# Altium PCB PCB_V_2_withgroundplane.PcbDoc
Units mm, origin at the board's own origin, x right, y up, seen from the top; angles counter-clockwise.
Board outline 110 x 72.5 mm, 2 copper layers (Top Layer, Bottom Layer); 35 components, 51 nets, 179 pads, 20 vias.
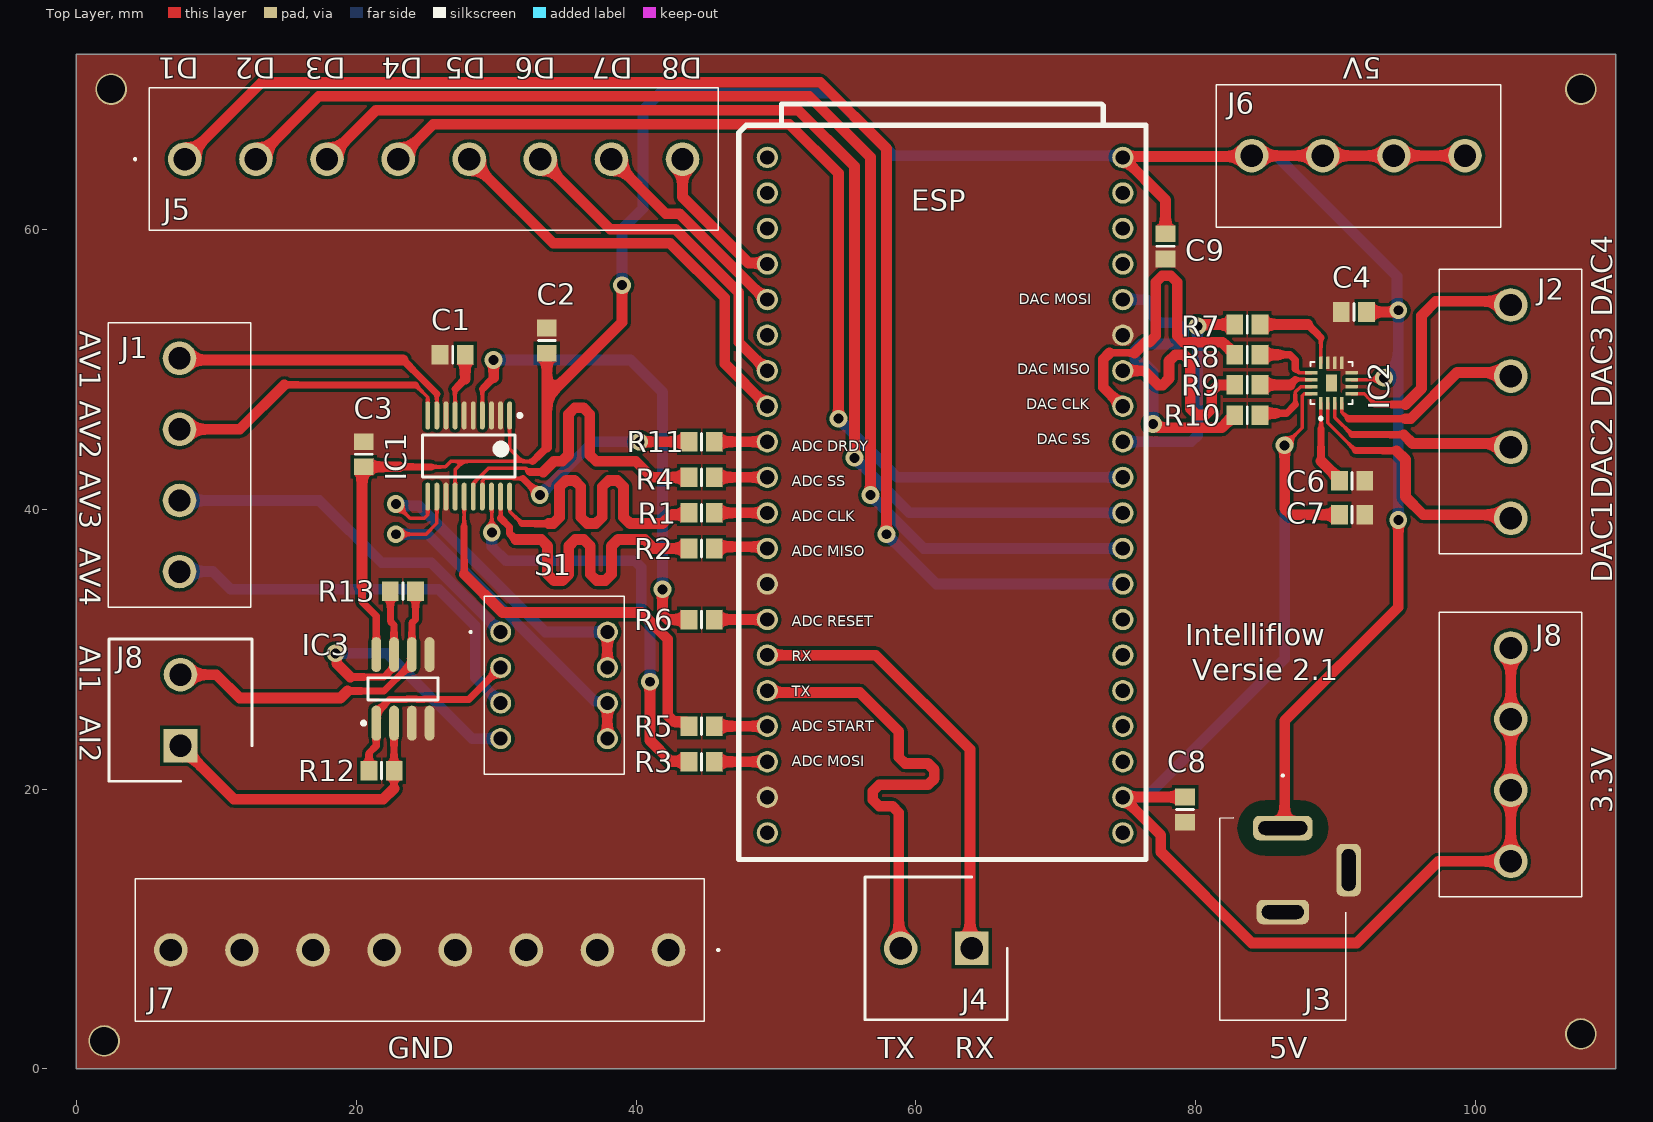
[diagram p0: Top Layer view]
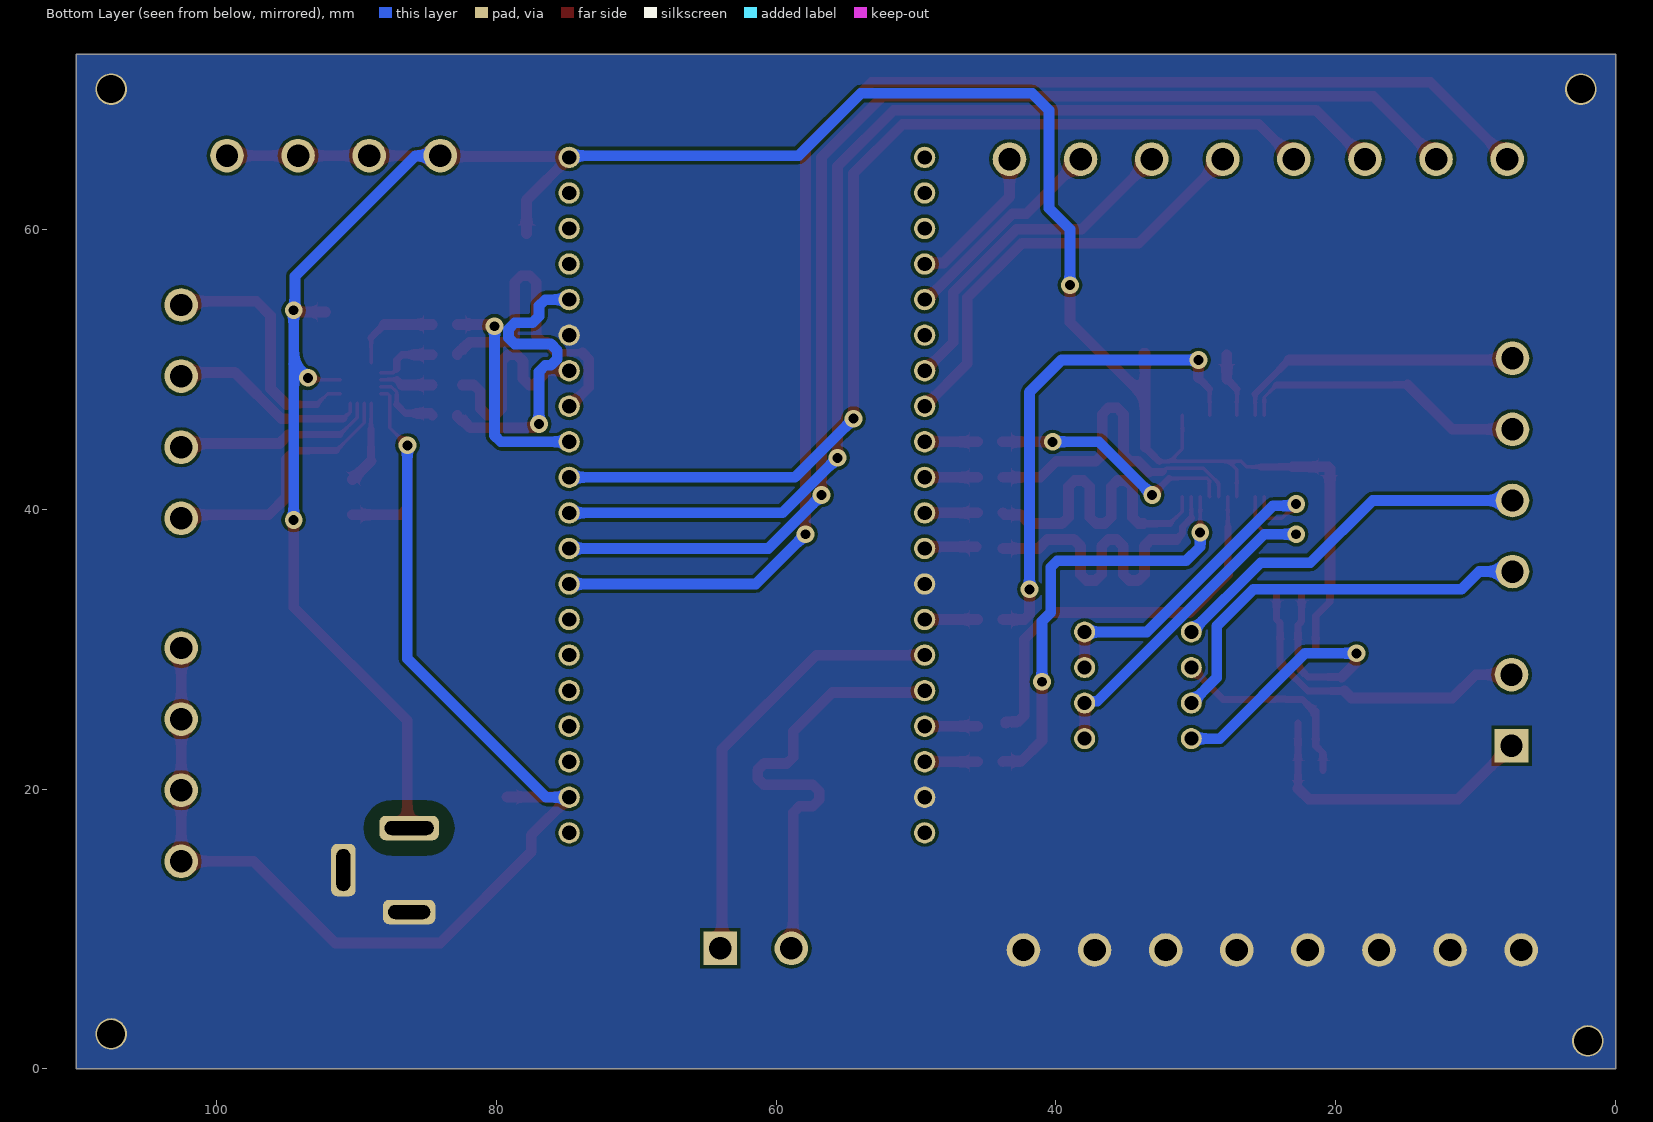
[diagram p1: Bottom Layer view, seen from below]

## Layer stack, top to bottom
Top Solder: solder mask 0.0102, Solder Resist, Dk 3.5
Top Layer: signal copper 0.0356
Dielectric 1: dielectric 0.32, FR-4, Dk 4.8
Bottom Layer: signal copper 0.0356
Bottom Solder: solder mask 0.0102, Solder Resist, Dk 3.5

## Board outline
0,0 110,0 110,72.5 0,72.5

## Design rules (kind name [scope] priority, off if disabled: settings)
Clearance polygon [InNet('GND')] p1: gap=0.229 ignorepadtopadclearanceinfootprint=FALSE
Clearance [IC2] p2: gap=0.178 ignorepadtopadclearanceinfootprint=FALSE
HoleSize [All] p1: absolutevalues=TRUE maxlimit=3.5 minlimit=0.025 maxpercent=80.000 minpercent=20.000
MinimumSolderMaskSliver [All] p1: minsoldermaskwidth=0.025
PolygonConnect [InNet('GND')] p1: connectstyle=Direct reliefconductorwidth=0.254 reliefentries=4 polygonreliefangle="90 Angle" airgapwidth=0.254
RoutingVias [All] p1: holewidth=0.711 width=1.27 viastyle="Through Hole" minholewidth=0.711 minwidth=1.27 maxholewidth=0.711 maxwidth=1.27
SilkToSolderMaskClearance [IsPad] p1: minsilkscreentomaskgap=0.025 clearancetoexposedcopper=TRUE
SolderMaskExpansion [All] p1: expansion=0.102 istentingtop=FALSE
Width Width_1 [All] p1: maxlimit=0.762 minlimit=0.254 preferedwidth=0.762 minimp=50.000000 maximp=50.000000 favimp=50.000000
27 further rules are at their usual default settings.

## Components (designator, comment, footprint, x,y, rotation, side; value= is the part's Value field where it differs from the comment)
C1 "Cap" 6-0805_N 26.9,51.03 r180 top value=1µF
C2 "Cap" 6-0805_N 33.631,52.035 r90 top value=0.1µF
C3 "Cap" 6-0805_N 20.55,43.918 r90 top value=0.1µF
C4 "Cap" 6-0805_N 91.289,54.078 r0 top value=0.1µF
C6 "Cap" 6-0805_N 91.162,42.013 r180 top value=0.1µF
C7 "Cap" 6-0805_N 91.162,39.6 r180 top value=0.1µF
C8 "Cap" 6-0805_N 79.224,18.529 r270 top value=0.1µF
C9 "Cap" 6-0805_N 77.827,58.777 r270 top value=0.1µF
ESP "NodeMcu esp32" ESP32_NODEMCU_V2 74.779,16.867 r180 top
IC1 "ADS1247IPWR" TI-PW20_M 28.043,43.791 r270 top
IC2 "DAC70504RTET" QFN50P300X300X80-17N 89.681,49.002 r90 top
IC3 "LTC6241CS8#PBF" LT-S8-8_M 23.344,27.154 r90 top
J1 "Analoge input" TB00450804BE 7.38,50.776 r270 top
J2 "DAC output" TB00450804BE 102.5,39.34 r90 top
J3 "5V" PJ002BH 86.209,17.212 r270 top
J4 "Uart" SHDR2W100P0X508_1X2_1016X1020X1410P 63.984,8.612 r180 top
J5 "GPIO" TB00450808BE 7.76,65 r0 top
J6 "5V" TB00450804BE 99.227,65.254 r180 top
J7 "GND" TB00450808BE 42.32,8.5 r180 top
J8 "Current input" SHDR2W100P0X508_1X2_1016X1020X1410P 7.45,23.09 r90 top
J8 "3.3V" TB00450804BE 102.5,14.835 r90 top
R1 "Res1" 6-0805_N 44.68,39.727 r180 top value=47Ω
R2 "Res1" 6-0805_N 44.68,37.187 r180 top value=47Ω
R3 "Res1" 6-0805_N 44.68,21.947 r180 top value=47Ω
R4 "Res1" 6-0805_N 44.68,42.267 r180 top value=47Ω
R5 "Res1" 6-0805_N 44.68,24.487 r180 top value=47Ω
R6 "Res1" 6-0805_N 44.68,32.107 r180 top value=47Ω
R7 "Res1" 6-0805_N 83.669,53.189 r180 top value=47Ω
R8 "Res1" 6-0805_N 83.669,51.03 r180 top value=47Ω
R9 "Res1" 6-0805_N 83.669,48.871 r180 top value=47Ω
R10 "Res1" 6-0805_N 83.669,46.712 r180 top value=47Ω
R11 "Res1" 6-0805_N 44.68,44.807 r180 top value=47Ω
R12 "Res1" 6-0805_N 21.82,21.312 r180 top value=500Ω
R13 "Res1" 6-0805_N 23.344,34.139 r180 top value=500Ω
S1 "choice ADC V/I" CES0402MC 30.329,31.218 r270 top

## Footprints (in the part's own frame and the unit in brackets; to place one, negate y for a bottom-side part, rotate by r counter-clockwise, add the part's x,y. Pads: shape width x height; smd on the part's side, far side on the other; paste and mask are expansions set on the pad)
6-0805_N [mm] "Chip Resistor, Body 2.0x1.2mm, IPC Medium Density"
  rect 1.2x1.4 smd: 1(-0.9,0) 2(0.9,0)
  silkscreen extent 0,-0.6 0,0.6, body extent -1.07,-0.7 1.07,0.7, height 0.7
CES0402MC [mm]
  round 1.5 hole 1: 1(0,0) 2(2.54,0) 3(5.08,0) 4(7.62,0) 5(7.62,7.62) 6(5.08,7.62) 7(2.54,7.62) 8(0,7.62)
  silkscreen extent -2.56,-2.2 10.18,8.81, body extent -2.56,-1.19 10.18,8.81, height 12.4
ESP32_NODEMCU_V2 [mil]
  round 60 hole 40: 1(0,-100) 2(0,-200) 3(0,-300) 4(0,-400) 5(0,-500) 6(0,-600) 7(0,-700) 8(0,-800) 9(0,-900) 10(0,-1000) 11(0,-1100) 12(0,-1200) 13(0,-1300) 14(0,-1400) 15(0,-1500) 16(0,-1600) 17(0,-1700) 18(0,-1800) 19(0,-1900) 20(1000,-100) 21(1000,-200) 22(1000,-300) 23(1000,-400) 24(1000,-500) 25(1000,-600) 26(1000,-700) 27(1000,-800) 28(1000,-900) 29(1000,-1000) 30(1000,-1100) 31(1000,-1200) 32(1000,-1300) 33(1000,-1400) 34(1000,-1500) 35(1000,-1600) 36(1000,-1700) 37(1000,-1800) 38(1000,-1900) NVT(0,0) NVT(1000,0)
  silkscreen extent -65,-2050 1080,75, body extent -45,-1971 1055,60, height 681
LT-S8-8_M [mm] "SOIC, 8-Leads, Body 4.9x3.9mm, Pitch 1.27mm, IPC Low Density"
  oval 2.5x0.7 smd: 1(-2.45,1.905) 2(-2.45,0.635) 3(-2.45,-0.635) 4(-2.45,-1.905) 5(2.45,-1.905) 6(2.45,-0.635) 7(2.45,0.635) 8(2.45,1.905)
  silkscreen extent -2.57,-2.5 0.8,2.93, body extent -2,-2.5 2,2.5, height 1.76
PJ002BH [mm]
  rrect50% 1.75x4.25 hole 3.5 slot 1 at 0 deg: 1(0,0)
  rrect50% 1.75x3.75 hole 3 slot 1 at 0 deg: 2(6,0)
  rrect50% 3.75x1.75 hole 1 slot 3 at 0 deg: 3(3,4.7)
  silkscreen extent -3.8,-4.5 13.75,4.5, body extent -1.72,-4.5 13.7,6.18, height 11.1
QFN50P300X300X80-17N [mm]
  rrect25% 0.89x0.26 smd: 1(-1.44,0.75) 2(-1.44,0.25) 3(-1.44,-0.25) 4(-1.44,-0.75) 9(1.44,-0.75) 10(1.44,-0.25) 11(1.44,0.25) 12(1.44,0.75)
  rrect25% 0.26x0.89 smd: 5(-0.75,-1.44) 6(-0.25,-1.44) 7(0.25,-1.44) 8(0.75,-1.44) 13(0.75,1.44) 14(0.25,1.44) 15(-0.25,1.44) 16(-0.75,1.44)
  rect 1.2x0.8 smd paste-2: 17(0,0)
  round 0.5 smd: 18(0,0)
  silkscreen extent -2.63,-1.5 1.5,1.5, body extent -1.5,-1.5 1.5,1.5, height 0.8
SHDR2W100P0X508_1X2_1016X1020X1410P [mm]
  rect 2.4x2.4 hole 1.6: 1(0,0)
  round 2.4 hole 1.6: 2(5.08,0)
  silkscreen extent -2.54,-5.1 7.62,5.1, body extent -2.54,-5.1 7.62,5.1, height 14.1
TB00450804BE [mm]
  round 2.4 hole 1.6: 1(0,0) 2(5.08,0) 3(10.16,0) 4(15.24,0)
  silkscreen extent -2.54,-5.08 17.78,5.1, body extent -2.54,-5.1 17.78,5.1, height 14.6
TB00450808BE [mm]
  round 2.4 hole 1.6: 1(0,0) 2(5.08,0) 3(10.16,0) 4(15.24,0) 5(20.32,0) 6(25.4,0) 7(30.48,0) 8(35.56,0)
  silkscreen extent -3.6,-5.08 38.1,5.1, body extent -2.54,-5.1 38.1,5.1, height 14.6
TI-PW20_M [mm] "SOP, 20-Leads, Body 6.5x4.4mm, Pitch 0.65mm, IPC Low Density"
  oval 2x0.35 smd: 1(-2.9,2.925) 2(-2.9,2.275) 3(-2.9,1.625) 4(-2.9,0.975) 5(-2.9,0.325) 6(-2.9,-0.325) 7(-2.9,-0.975) 8(-2.9,-1.625) 9(-2.9,-2.275) 10(-2.9,-2.925) 11(2.9,-2.925) 12(2.9,-2.275) 13(2.9,-1.625) 14(2.9,-0.975) 15(2.9,-0.325) 16(2.9,0.325) 17(2.9,0.975) 18(2.9,1.625) 19(2.9,2.275) 20(2.9,2.925)
  silkscreen extent -3.02,-3.3 1.5,3.78, body extent -2.25,-3.3 2.25,3.3, height 1.2

## Part data
C1 C2 C3 C4 C6 C7 C8 C9: "Capacitor", LatestRevisionDate=17-Jul-2002, LatestRevisionNote="Re-released for DXP Platform.", PackageDescription="Radial Cap, Thru-Hole; 2 Leads; 0.3 in Pin Spacing", PackageReference=RAD-0.3, Published=8-Jun-2000, Publisher="Altium Limited"
IC1: library part CMP-0003-00816-2, "Low Noise, Precision 24-Bit ADC, -40 to 105 degC, 20-pin SOP (PW20), Green (RoHS & no Sb/Br)", Analog Voltage AV/DD(Max)(V)=5.25, Analog Voltage AV/DD(Min)(V)=2.7, Manufacturer="Texas Instruments", # Input Channels=3, Architecture=Delta-Sigma, Code_JEDEC=MO-153, ComponentLink1Description="Manufacturer URL", ComponentLink1URL=http://www.ti.com/, ComponentLink2Description=Datasheet, ComponentLink2URL=http://www.ti.com/general/docs/lit/getliterature.tsp?genericPartNumber=ADS1247&fileType=pdf, ComponentLink3Description="Package Specification", ComponentLink3URL=http://www.ti.com.cn/cn/lit/ml/mpds362/mpds362.pdf, DatasheetVersion=SBAS426G, Digital Supply(Max)(V)=5.25, Digital Supply(Min)(V)=2.7, Eco-Plan="Green (RoHS & no Sb/Br)", Interface="Serial SPI", Mounting Technology="Surface Mount", PackageDescription="20-Pin Plastic Small Outline, Body 6.5 x 4.4 mm, Pitch 0.65 mm", PackageReference=PW20, PackageVersion="4040064-5/G, 02/2011", PartNumber=ADS1247IPWR, Resolution(Bits)=24, Sample Rate (max)(SPS)=2k, SubFamily="Precision ADC (<=10MSPS)"
IC2: library part Component_1
IC3: library part CMP-0359-02669-2, "Dual Channel, Low Noise, CMOS Operational Amplifier, RRO, 18 MHz Typical GBW, 10 V/us Typical SR, 2.8 to 6 V, 8-Pin SOIC (S8-8), Commercial, Pb-Free", Linear Technology Part Number=LTC6241, Manufacturer="Linear Technology", Channels (#)=2, ComponentLink1Description="Manufacturer URL", ComponentLink1URL=http://www.linear.com/, ComponentLink2Description=Datasheet, ComponentLink2URL=http://cds.linear.com/docs/en/datasheet/624012fe.pdf, ComponentLink3Description="Package Specification", ComponentLink3URL=http://cds.linear.com/docs/en/packaging/05081610_G_SO8.pdf, DatasheetVersion="Rev. E", GBW (MHz) Typical=18, Is (mA) Typical=1.8, Mounting Technology="Surface Mount", PackageDescription="8-Pin Plastic Small Outline, Body 4.9 x 3.9 mm, Pitch 1.27 mm", PackageReference=LT-S8-8, PackageVersion="Rev G", PartNumber=LTC6241CS8#PBF, RevisionNote="URLs updated", RoHS=Pb-Free, SR (V/us) Typical=10, Type=VFB, Vos (mV) Typical=0.04, Vs Max (V)=6, Vs Min (V)=2.8
J1 J2 J6 J8: library part TB004-508-04BE, "Connector", Manufacturer_Name="CUI Devices", Mouser Part Number=490-TB004-508-04BE, Datasheet Link=https://www.mouser.de/datasheet/2/670/tb004-508-1550640.pdf, Height=14.5mm, Manufacturer_Part_Number=TB004-508-04BE, Mouser Price/Stock=https://www.mouser.co.uk/ProductDetail/CUI-Devices/TB004-508-04BE?qs=vLWxofP3U2xBEXp2FgncVQ%3D%3D
J3: library part PJ-002BH, "Connector", Manufacturer_Name="CUI Devices", Mouser Part Number=490-PJ-002BH, Arrow Part Number=PJ-002BH, Arrow Price/Stock=https://www.arrow.com/en/products/pj-002bh/cui-devices, Datasheet Link=https://componentsearchengine.com/Datasheets/1/PJ-002BH.pdf, Height=11mm, Manufacturer_Part_Number=PJ-002BH, Mouser Price/Stock=https://www.mouser.co.uk/ProductDetail/CUI-Devices/PJ-002BH?qs=WyjlAZoYn51nOX1h%2FqpLlg%3D%3D
J4 J8: library part TB004-508-02BE, "Connector", Manufacturer_Name="CUI Devices", Mouser Part Number=490-TB004-508-02BE, Arrow Part Number=TB004-508-02BE, Arrow Price/Stock=https://www.arrow.com/en/products/tb004-508-02be/cui-inc, Datasheet Link=https://componentsearchengine.com/Datasheets/1/TB004-508-02BE.pdf, Height=14.1mm, Manufacturer_Part_Number=TB004-508-02BE, Mouser Price/Stock=https://www.mouser.co.uk/ProductDetail/CUI-Devices/TB004-508-02BE?qs=vLWxofP3U2zLwdGzG2tSkA%3D%3D
J5 J7: library part TB004-508-08BE, "Connector", Manufacturer_Name="CUI Devices", Mouser Part Number=490-TB004-508-08BE, Datasheet Link=https://www.mouser.de/datasheet/2/670/tb004-508-1550640.pdf, Height=14.5mm, Manufacturer_Part_Number=TB004-508-08BE, Mouser Price/Stock=https://www.mouser.co.uk/ProductDetail/CUI-Devices/TB004-508-08BE?qs=vLWxofP3U2zcPMkVrCo9Rw%3D%3D
R1 R2 R3 R4 R5 R6 R7 R8 R9 R10 R11 R12 R13: "Resistor", LatestRevisionDate=17-Jul-2002, LatestRevisionNote="Re-released for DXP Platform.", PackageDescription="Axial Device, Thru-Hole; 2 Leads; 0.3 in Pin Spacing", PackageReference=AXIAL-0.3, Published=8-Jun-2000, Publisher="Altium Limited"
S1: library part CES-0402MC, "Switch", Manufacturer_Name="Copal Electronics", Datasheet Link=https://www.nidec-copal-electronics.com/e/catalog/switch/ces.pdf, Height=12.3mm, Manufacturer_Part_Number=CES-0402MC

## Free pads (board coordinates)
  round 2.25 hole 2: 5(2.5,70) 6(2,2) 7(107.5,2.5) 8(107.5,70)

## Via types
v1: diameter 1.27, hole 0.711, Top Layer to Bottom Layer, 20 vias

## Nets (pads, with @x,y where several pads share a name; then routed paths per layer and width w, separated by ;. In a path a pad name is that pad's centre, name@x,y a point inside that pad or via, vN(x,y) a via of type N, cw(c..) or ccw(c..) an arc to the next point about the centre after c; other vN are vias at no path point)
+3.3: C7.2 C8.1 ESP.1 IC2.16 J8.1@102.5,14.835 J8.2@102.5,19.915 J8.3 J8.4 | length 99.1
  Top Layer w0.254: v1(86.336,44.553) 87.606,45.823 87.606,48.103 87.755,48.252 IC2.16
  Top Layer w0.762: C8.1 74.801,19.429 ESP.1 77.5,16.686 77.5,15.5 84,9 91.5,9 97.335,14.835 102.5,14.835 102.5,19.915 J8.3 J8.4 ; v1(86.336,44.553) 86.336,40.046 86.782,39.6 C7.2
  Bottom Layer w0.762: ESP.1 76.43,19.407 86.336,29.313 v1(86.336,44.553)
+5: C2.1 C3.1 C4.2 C9.1 ESP.19 IC1.1 IC1.14 IC2.7 IC3.8 J3.1 J6.1 J6.2 J6.3 J6.4 | length 194.4
  Top Layer w0.254: 25.365,43.018 26.381,43.018 26.773,43.41 27.662,43.41 ; IC1.14 27.068,42.816 27.662,43.41 ; IC1.1 30.968,44.295 31.853,43.41 ; 32.615,43.41 31.853,43.41 ; IC2.7 v1@93.321,49.252 ; 27.662,43.41 31.853,43.41
  Top Layer w0.508: 20.423,34.52 20.423,33.377 21.439,32.361 IC3.8 ; 23.079,43.018 25.365,43.018 ; 32.615,43.41 33.631,44.426
  Top Layer w0.762: 20.423,34.52 20.423,42.891 C3.1 23.079,43.018 ; 33.631,44.426 33.631,47.982 ; C2.1@33.631,50.816 33.631,47.982 ; C2.1 C2.1@33.731,51.135 ; v1(39,56) 39,53.351 33.631,47.982 ; C9.1 77.827,62.079 ESP.19 74.842,65.191 83.923,65.191 J6.4 J6.3 J6.2 J6.1 ; J3.1 86.336,17.339 86.336,24.868 94.464,32.996 v1(94.464,39.219) ; C4.2 v1@94.337,54.078
  Bottom Layer w0.762: v1(39,56) 39,60 40.5,61.5 40.5,68.5 41.699,69.699 53.951,69.699 58.396,65.254 74.779,65.254 ESP.19 ; J6.4 84.002,65.239 85.761,65.239 94.367,56.633 94.367,54.302 v1(94.464,54.205) 94.464,50.395 ; v1(93.448,49.379) 94.464,50.395 ; v1(94.464,39.219) 94.464,50.395
AI1: IC3.1 R12.2 S1.2 | length 14.7
  Top Layer w0.508: R12.2 20.92,22.571 21.439,23.09 21.439,25.552 21.528,25.641 21.641,25.641 22.392,26.392 23.59,26.392 23.634,26.437 24.324,26.437 24.368,26.392 24.86,26.392 24.904,26.437 25.594,26.437 25.638,26.392 28.043,26.392 S1.2
AI2: IC3.7 R13.2 S1.4 | length 25.4
  Top Layer w0.508: 19.577,28 22,28 22.644,28.644 22.644,29.539 IC3.7 22.709,31.726 22.444,31.991 R13.2
  Top Layer w0.762: v1(18.518,29.694) 18.615,29.597 18.615,28.962 19.577,28
  Bottom Layer w0.762: v1(18.518,29.694) 22.201,29.694 28.297,23.598 S1.4
AIN2: IC1.11 S1.7 S1.8 | length 25
  Top Layer w0.254: v1(22.836,40.362) 23.852,39.346 24.487,39.346 24.868,39.346 25.118,39.596 IC1.11
  Top Layer w0.762: S1.7 S1.8
  Bottom Layer w0.762: v1@23.322,40.235 24.487,40.235 33.504,31.218 S1.8
AIN3: IC1.12 S1.5 S1.6 | length 27.8
  Top Layer w0.254: v1(22.836,38.203) 24.995,38.203 25.768,38.976 IC1.12
  Top Layer w0.762: S1.5 S1.6
  Bottom Layer w0.762: v1(22.836,38.203) 25.122,38.203 37.046,26.279 37.808,26.279 S1.6
AV3: J1.3 S1.1 | length 26.8
  Bottom Layer w0.762: J1.3 17.375,40.616 21.82,36.171 25.376,36.171 S1.1
AV4: J1.4 S1.3 | length 29
  Bottom Layer w0.762: J1.4 9.755,35.536 11.025,34.266 25.884,34.266 28.506,31.644 28.506,27.961 S1.3
D1: ESP.7 J5.1 | length 100.3
  Top Layer w0.762: J5.1 13.26,70.5 53.15,70.5 57.888,65.762 v1(57.888,38.203)
  Bottom Layer w0.762: v1(57.888,38.203) 61.444,34.647 ESP.7
D2: ESP.8 J5.2 | length 91.3
  Top Layer w0.762: J5.2 17.34,69.5 52.372,69.5 56.745,65.127 v1(56.745,40.997)
  Bottom Layer w0.762: v1(56.745,40.997) 60.555,37.187 ESP.8
D3: ESP.9 J5.3 | length 82.4
  Top Layer w0.762: J5.3 21.42,68.5 51.594,68.5 55.602,64.492 v1(55.602,43.664)
  Bottom Layer w0.762: v1(55.602,43.664) 59.539,39.727 ESP.9
D4: ESP.10 J5.4 | length 73.5
  Top Layer w0.762: J5.4 25.5,67.5 50.943,67.5 54.459,63.984 v1(54.459,46.458)
  Bottom Layer w0.762: v1(54.459,46.458) 58.65,42.267 ESP.10
D5: ESP.31 J5.5 | length 31.4
  Top Layer w0.762: J5.5 34.08,59 42.425,59 46.331,55.094 46.331,50.395 ESP.31
D6: ESP.32 J5.6 | length 24.6
  Top Layer w0.762: J5.6 38.16,60 42.822,60 47.347,55.475 47.347,51.919 ESP.32
D7: ESP.34 J5.7 | length 15.3
  Top Layer w0.762: J5.7 42.13,61.109 43.11,61.109 49.252,54.967 ESP.34
D8: ESP.35 J5.8 | length 10.7
  Top Layer w0.762: J5.8 43.32,62.296 48.032,57.584 49.302,57.584 ESP.35
DRDY: ESP.30 R11.1 | length 3.8
  Top Layer w0.762: R11.1 ESP.30
GND: C1.2 C2.2 C3.2 C4.1 C6.1 C7.1 C8.2 C9.2 ESP.14 ESP.20 ESP.26 IC1.2 IC1.3 IC1.5 IC1.6 IC1.8 IC1.13 IC2.6 IC2.8 IC2.9 IC2.10 IC2.11 IC3.3 IC3.4 IC3.5 J3.2 J3.3 J7.1 J7.2 J7.3 J7.4 J7.5 J7.6 J7.7 J7.8 pad.5 pad.6 pad.7 pad.8
H-SS: ESP.11 R7.2 | length 16
  Top Layer w0.762: v1(80.113,53.062) 80.24,53.189 R7.2
  Bottom Layer w0.762: ESP.11 79.667,44.807 80.113,45.253 v1(80.113,53.062)
HCLK: ESP.12 R8.2 | length 22.7
  Top Layer w0.508: 73.828,51.157 75.611,51.157
  Top Layer w0.762: 73.828,51.157 73.382,50.711 73.382,48.709 74.744,47.347 ESP.12 ; 75.611,51.157 76.373,51.919 76.678,51.919 77.135,52.376 77.135,56.21 77.593,56.667 78.202,56.667 78.659,56.21 78.659,52.376 79.117,51.919 79.759,51.919 81.88,51.919 82.45,51.349 82.55,51.349 82.769,51.13 R8.2
HMISO: ESP.13 R9.2 | length 15.1
  Top Layer w0.762: ESP.13 76.303,49.887 77.319,48.871 77.624,48.871 78.081,49.328 78.081,50.581 78.538,51.038 79.148,51.038 79.605,50.581 79.605,48.871 79.605,47.182 80.062,46.725 80.672,46.725 81.129,47.182 81.129,48.414 81.586,48.871 82.088,48.871 R9.2@82.399,48.871
HMOSI: ESP.15 R10.2 | length 22.5
  Top Layer w0.762: v1(76.938,46.077) 77.075,46.077 77.329,45.823 81.85,45.823 82.42,46.393 82.55,46.393 82.769,46.612 R10.2
  Bottom Layer w0.762: ESP.15 76.492,54.967 76.938,54.521 76.938,54.078 76.938,53.773 77.395,53.316 78.66,53.316 79.118,52.859 79.118,52.249 78.66,51.792 76.938,51.792 76.084,51.792 75.626,51.335 75.626,50.725 76.084,50.268 76.481,50.268 76.938,49.811 76.938,48.998 v1(76.938,46.077)
NetC1_1: C1.1 IC1.7 | length 4.6
  Top Layer w0.254: IC1.7 27.068,48.568
  Top Layer w0.508: 27.068,48.568 27.789,49.289
  Top Layer w0.762: 27.789,49.289 C1.1@27.789,51.019
NetC6_2: C6.2 IC2.1 | length 6
  Top Layer w0.254: 88.931,45.762 IC2.1
  Top Layer w0.508: 88.931,45.762 88.937,45.756 88.937,43.438
  Top Layer w0.762: 88.937,43.438 C6.2@90.262,42.113
NetIC1_4: IC1.4 R6.2 | length 35.2
  Top Layer w0.254: IC1.4 29.018,48.576
  Top Layer w0.508: 29.018,48.576 29.821,49.379
  Top Layer w0.762: 29.821,49.379 v1(29.821,50.649) ; v1(41.886,34.266) 41.886,32.488 42.267,32.107 R6.2
  Bottom Layer w0.762: v1(29.821,50.649) 39.6,50.649 41.886,48.363 v1(41.886,34.266)
NetIC1_9: IC1.9 J1.1 | length 21
  Top Layer w0.254: IC1.9 25.768,48.232
  Top Layer w0.508: 23.351,50.649 25.768,48.232
  Top Layer w0.762: J1.1 7.507,50.649 23.351,50.649
NetIC1_10: IC1.10 J1.2 | length 20.7
  Top Layer w0.254: 24.233,48.871 25.118,47.986 IC1.10
  Top Layer w0.508: 14.871,48.871 24.233,48.871
  Top Layer w0.762: J1.2 11.696,45.696 14.871,48.871
NetIC1_15: IC1.15 R5.2 | length 29.4
  Top Layer w0.254: 27.718,38.767 IC1.15 ; R5.2@43.572,24.695 R5.2
  Top Layer w0.508: 27.718,35.353 27.718,38.767
  Top Layer w0.762: 27.718,35.353 30.456,32.615 36.425,32.615 40.362,32.615 42.267,30.71 42.267,25.252 42.713,24.806 43.561,24.806 43.572,24.795 R5.2@43.572,24.695
NetIC1_16: IC1.16 R4.2 | length 24.3
  Top Layer w0.254: IC1.16 28.368,41.83 29.44,42.902 32.107,42.902 32.361,42.648
  Top Layer w0.508: 32.361,42.648 33.377,42.648
  Top Layer w0.762: 33.377,42.648 34.139,43.41 34.411,43.41 34.716,43.41 35.173,43.867 35.173,46.773 35.63,47.23 36.24,47.23 36.697,46.773 36.697,43.867 37.154,43.41 38.221,43.41 39.219,43.41 39.981,43.41 41.124,42.267 R4.2
NetIC1_17: IC1.17 R11.2 | length 18.1
  Top Layer w0.254: IC1.17 29.036,40.909 29.036,41.802 29.043,41.809 29.043,42.044 29.192,42.193 31.927,42.193
  Top Layer w0.508: 31.927,42.193 v1(33.123,40.997)
  Top Layer w0.762: v1(40.235,44.807) R11.2@43.813,44.807
  Bottom Layer w0.762: v1(33.123,40.997) 36.933,44.807 v1(40.235,44.807)
NetIC1_18: IC1.18 R3.2 | length 30.9
  Top Layer w0.254: v1(29.694,38.33) IC1.18@29.694,40.865
  Top Layer w0.762: v1(40.997,27.662) 40.997,23.471 42.483,21.985 43.742,21.985 R3.2
  Bottom Layer w0.762: v1(29.694,38.33) 29.694,37.314 30.71,36.298 39.916,36.298 40.362,35.852 40.362,32.615 40.997,31.98 v1(40.997,27.662)
NetIC1_19: IC1.19 R2.2 | length 25.7
  Top Layer w0.254: IC1.19 30.329,40.88 30.329,39.346
  Top Layer w0.508: 30.329,39.346 30.964,38.711 30.964,38.251 31.393,37.822
  Top Layer w0.762: 31.393,37.822 32.155,37.822 33.222,37.822 33.679,37.365 33.679,35.35 34.136,34.893 34.746,34.893 35.203,35.35 35.203,37.365 35.66,37.822 36.27,37.822 36.727,37.365 36.727,35.35 37.184,34.893 37.794,34.893 38.251,35.35 38.251,37.365 38.708,37.822 39.775,37.822 40.616,37.822 41.251,37.187 R2.2
NetIC1_20: IC1.20 R1.2 | length 24.7
  Top Layer w0.254: IC1.20 30.986,40.873 30.986,39.832 31.853,38.965
  Top Layer w0.508: 31.853,38.965 33.758,38.965
  Top Layer w0.762: 33.758,38.965 33.771,38.965 34.076,38.965 34.533,39.422 34.533,41.59 34.99,42.047 35.6,42.047 36.057,41.59 36.057,39.422 36.514,38.965 37.124,38.965 37.581,39.422 37.581,41.59 38.038,42.047 38.648,42.047 39.105,41.59 39.105,39.422 39.562,38.965 40.629,38.965 41.886,38.965 42.518,39.597 43.65,39.597 R1.2
NetIC2_2: IC2.2 J2.1 | length 18.9
  Top Layer w0.254: IC2.2 89.431,46.157 91.416,44.172
  Top Layer w0.508: 91.416,44.172 94.337,44.172
  Top Layer w0.762: 94.337,44.172 94.972,43.537 94.972,40.87 96.242,39.6 102.24,39.6 J2.1
NetIC2_3: IC2.3 J2.2 | length 14.5
  Top Layer w0.254: IC2.3 89.931,46.546 91.162,45.315
  Top Layer w0.508: 91.162,45.315 94.845,45.315
  Top Layer w0.762: 94.845,45.315 95.48,44.68 102.24,44.68 J2.2
NetIC2_4: IC2.4 J2.3 | length 14.4
  Top Layer w0.254: IC2.4 90.431,46.935 90.908,46.458
  Top Layer w0.508: 90.908,46.458 94.972,46.458
  Top Layer w0.762: 94.972,46.458 95.353,46.458 98.649,49.754 102.246,49.754 J2.3
NetIC2_5: IC2.5 J2.4 | length 17.9
  Top Layer w0.254: IC2.5 92.035,48.252 92.813,47.474
  Top Layer w0.508: 92.813,47.474 94.972,47.474
  Top Layer w0.762: 94.972,47.474 96.115,48.617 96.115,53.824 97.131,54.84 102.24,54.84 J2.4
NetIC2_12: IC2.12 R7.1 | length 6.6
  Top Layer w0.254: IC2.12 88.931,52.245
  Top Layer w0.508: 87.987,53.189 88.931,52.245
  Top Layer w0.762: R7.1 87.987,53.189
NetIC2_13: IC2.13 R8.1 | length 4.6
  Top Layer w0.254: 87.098,50.014 87.36,49.752 IC2.13
  Top Layer w0.508: 85.955,51.03 86.717,51.03 87.098,50.649 87.098,50.014
  Top Layer w0.762: R8.1 85.955,51.03
NetIC2_14: IC2.14 R9.1 | length 3.8
  Top Layer w0.254: 87.098,49.252 IC2.14
  Top Layer w0.508: 86.717,48.871 87.098,49.252
  Top Layer w0.762: R9.1 86.717,48.871
NetIC2_15: IC2.15 R10.1 | length 5
  Top Layer w0.254: 87.098,47.474 87.098,48.363 87.479,48.744 87.479,48.749 88.238,48.749 IC2.15
  Top Layer w0.508: 85.701,46.839 86.463,46.839 87.098,47.474
  Top Layer w0.762: R10.1 84.696,46.839 85.701,46.839
NetIC3_2: IC3.2 J8.1@7.45,23.09 R12.1 | length 21.8
  Top Layer w0.508: 22.709,20.042 IC3.2
  Top Layer w0.762: J8.1@7.45,23.09 11.26,19.28 11.66,19.28 21.947,19.28 22.709,20.042
NetIC3_6: IC3.6 J8.2@7.45,28.17 R13.1 | length 23.6
  Top Layer w0.508: 19.38,27 22,27 23.667,28.667 23.89,28.667 23.979,28.756 23.979,31.853 24.244,32.118 R13.1
  Top Layer w0.762: J8.2@7.45,28.17 10.004,28.17 11.674,26.5 18.88,26.5 19.38,27
RESET: ESP.25 R6.1 | length 3.8
  Top Layer w0.762: R6.1 ESP.25
RX: ESP.24 J4.1 | length 31.5
  Top Layer w0.762: ESP.24 57.126,29.567 63.857,22.836 63.857,8.739 J4.1
START: ESP.22 R5.1 | length 3.8
  Top Layer w0.762: R5.1 ESP.22
TX: ESP.23 J4.2 | length 33.4
  Top Layer w0.762: ESP.23 49.506,26.9 55.983,26.9 58.777,24.106 58.777,22.582 58.777,22.277 59.234,21.82 60.86,21.82 61.317,21.363 61.317,20.753 60.86,20.296 58.777,20.296 57.372,20.296 56.915,19.839 56.915,19.229 57.372,18.772 58.32,18.772 58.777,18.315 58.777,17.252 58.777,8.739 J4.2
V-SS: ESP.29 R4.1 | length 3.8
  Top Layer w0.762: R4.1 ESP.29
VCLK: ESP.28 R1.1 | length 3.8
  Top Layer w0.762: R1.1 ESP.28
VMISO: ESP.27 R2.1 | length 3.6
  Top Layer w0.762: R2.1@45.696,37.314 ESP.27@49.252,37.314
VMOSI: ESP.21 R3.1 | length 3.8
  Top Layer w0.762: R3.1 ESP.21
pads on no net: ESP.2 ESP.3 ESP.4 ESP.5 ESP.6 ESP.16 ESP.17 ESP.18 ESP.33 ESP.36 ESP.37 ESP.38 ESP.NVT IC2.17 IC2.18

## Polygon pours and split planes (outlines as drawn)
GND on Bottom Layer "GND_L02_P001" (solid, pour order 1): 0,72.5 0,0 110,0 110,72.5
GND on Top Layer "GND_L01_P000" (solid, pour order 0): 0,72.5 0,0 110,0 110,72.5

## Silkscreen, mask and mechanical layers (free items; w line width, h text height)
Top Overlay:
  text "D1" at 8.746,72.246 h1.52 r180
  text "D2" at 14.246,72.246 h1.52 r180
  text "D3" at 19.246,72.246 h1.52 r180
  text "D4" at 24.746,72.246 h1.52 r180
  text "D5" at 29.246,72.246 h1.52 r180
  text "D6" at 34.246,72.246 h1.52 r180
  text "D7" at 39.746,72.246 h1.52 r180
  text "D8" at 44.746,72.246 h1.52 r180
  text "5V" at 93.246,72.246 h1.52 r180
  text "DAC MOSI" at 67.357,54.627 h0.76
  text "DAC4" at 109.746,53.754 h1.52 r90
  text "AV1" at 0.254,52.746 h1.52 r270
  text "DAC MISO" at 67.23,49.627 h0.76
  text "AV2" at 0.254,47.746 h1.52 r270
  text "DAC3" at 109.746,47.254 h1.52 r90
  text "DAC CLK" at 67.865,47.127 h0.76
  text "DAC SS" at 68.627,44.627 h0.76
  text "ADC DRDY" at 51.127,44.127 h0.76
  text "AV3" at 0.254,42.746 h1.52 r270
  text "ADC SS" at 51.127,41.627 h0.76
  text "DAC2" at 109.746,40.754 h1.52 r90
  text "ADC CLK" at 51.127,39.127 h0.76
  text "AV4" at 0.254,37.246 h1.52 r270
  text "ADC MISO" at 51.127,36.627 h0.76
  text "DAC1" at 109.746,34.754 h1.52 r90
  text "ADC RESET" at 51.127,31.627 h0.76
  text "AI1" at 0.254,30.246 h1.52 r270
  text "Intelliflow" at 79.254,30.254 h1.52
  text "RX" at 51.127,29.127 h0.76
  text "Versie 2.1" at 79.754,27.754 h1.52
  text "TX" at 51.127,26.627 h0.76
  text "AI2" at 0.254,25.246 h1.52 r270
  text "ADC START" at 51.127,24.127 h0.76
  text "ADC MOSI" at 51.127,21.627 h0.76
  text "3.3V" at 109.746,18.254 h1.52 r90
  text "GND" at 22.254,0.754 h1.52
  text "TX" at 57.254,0.754 h1.52
  text "RX" at 62.754,0.754 h1.52
  text "5V" at 85.254,0.754 h1.52